# KiCad board jamboard.kicad_pcb (continued)
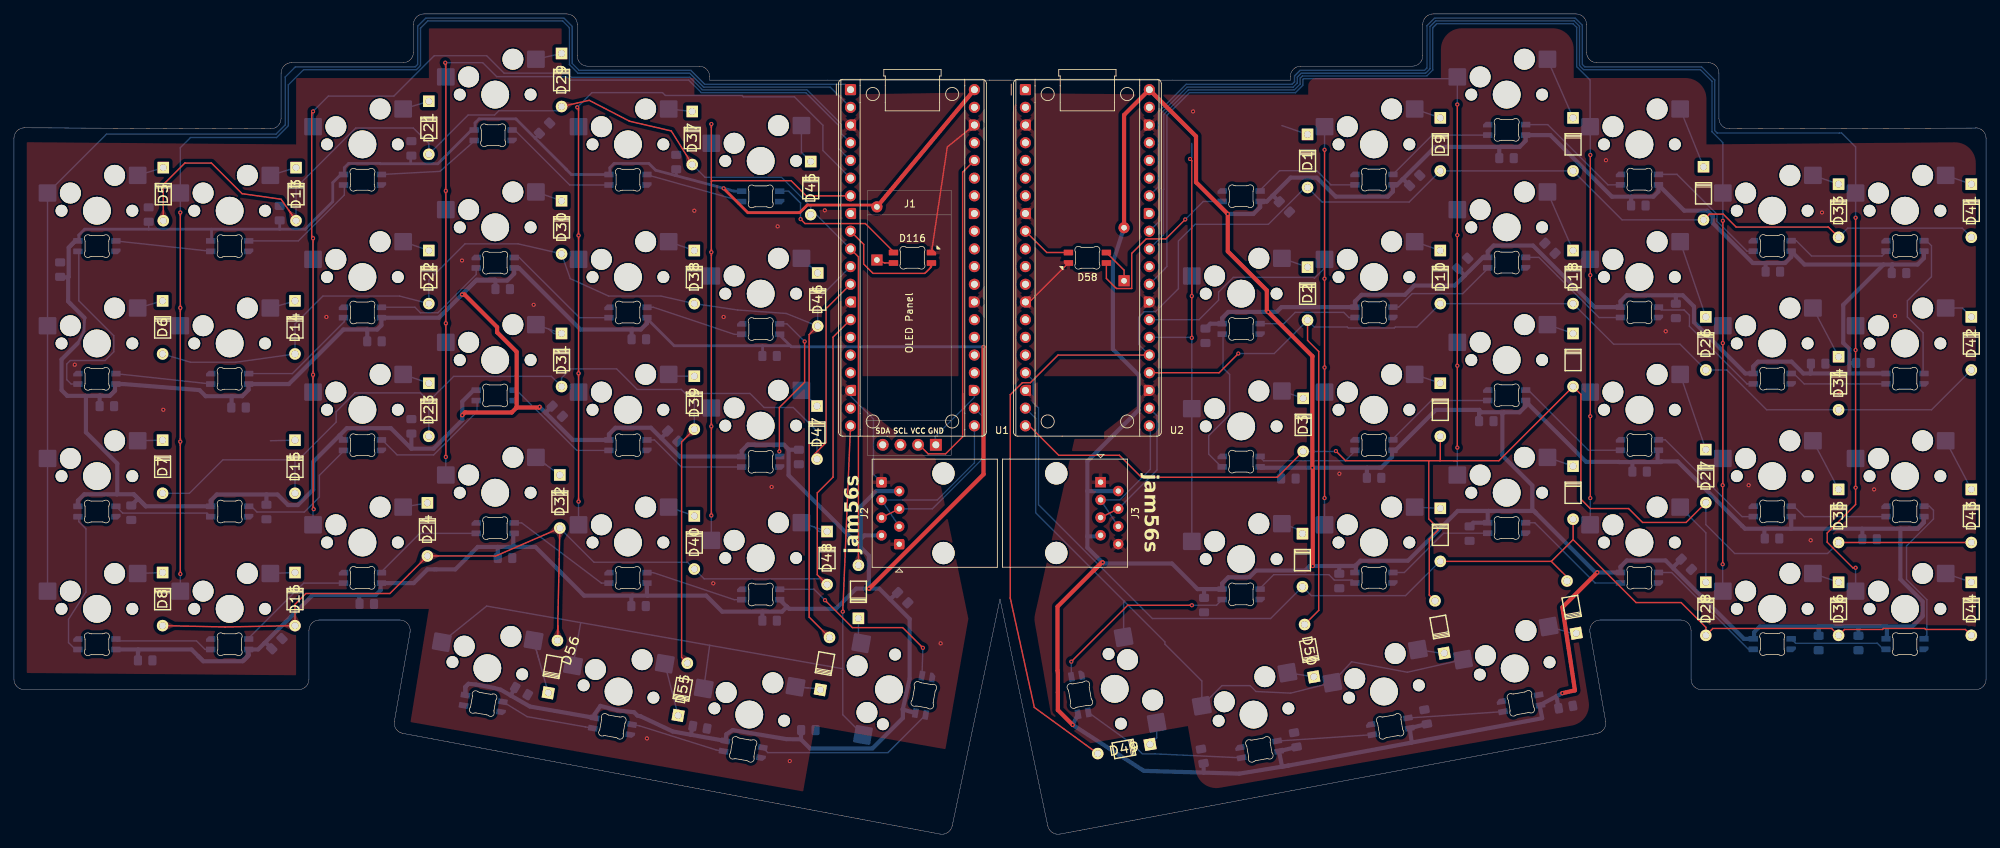
[diagram p0: board, top side]
## Routing (per net, layer and track width the routed paths; a pad name or vN(x,y) marks a point on that pad's centre or on a via; arc(x,y) is an arc through that point) (continued)
Net-(D84-DOUT): length 17.4
  Bottom w0.2: 230.65,55.09 225.93,55.09 217.29,63.74 216.8,63.74
Net-(D85-DIN): length 17.4
  Bottom w0.2: 216.8,44.69 218.23,44.69 226.88,36.04 230.65,36.04
Net-(D87-DIN): length 17.4
  Bottom w0.2: 85.51,93.17 79.75,93.17 71.85,101.07 71.36,101.07
Net-(D88-DOUT): length 17.4
  Bottom w0.2: 85.51,74.12 81.15,74.12 72.5,82.77 71.66,82.77
Net-(D89-DIN): length 17.3
  Bottom w0.2: 71.78,63.72 72.12,63.72 80.77,55.07 85.51,55.07
Net-(D90-DOUT): length 16.7
  Bottom w0.2: 85.51,36.02 84.3,36.02 72.86,44.67 71.66,44.67
Net-(D100-DIN): length 13.9
  Bottom w0.2: 101.94,11.87 100.76,12.08 89.75,15.54 88.56,15.75
Net-(D100-DOUT): length 13.8
  Bottom w0.2: 83.18,15.18 82,15.38 73.63,16.86 D91.3
Net-(D101-DIN): length 21.5
  Bottom w0.2: 238.64,94.69 D92.2 ; 238.64,94.69 244.37,88.97 244.37,87.98 248.68,83.67 D101.3 ; 238.64,94.69 235.85,94.69
Net-(D101-DOUT): length 15
  Bottom w0.2: 254.9,85.17 255.75,85.17 257.94,82.98 268.06,82.98 268.75,83.67
Net-(D102-DIN): length 14.5
  Bottom w0.2: 254.9,66.12 255.39,66.12 256.89,64.62 268.75,64.62
Net-(D102-DOUT): length 19.1
  Bottom w0.2: D102.2 248.68,64.62 240.42,72.88 240.42,74.48 239.66,75.23 236.38,75.23 D93.3
Net-(D103-DIN): length 18.4
  Bottom w0.2: 249.7,45.57 247.97,45.57 236.95,56.59 235.85,56.59
Net-(D103-DOUT): length 14.5
  Bottom w0.2: 254.9,47.07 255.39,47.07 256.89,45.57 268.75,45.57
Net-(D104-DIN): length 14.3
  Bottom w0.2: D104.3 255.65,27.39 267.39,27.39 268.26,26.52 268.75,26.52
Net-(D104-DOUT): length 18.4
  Bottom w0.2: 249.7,26.52 248.9,26.52 237.87,37.54 235.85,37.54
Net-(D105-DIN): length 21.6
  Top w0.2: v1(112.88,88.28) 113.51,87.64 122.17,87.64 126.33,83.48
  Bottom w0.2: v1(112.88,88.28) 112.88,90.58 111.16,92.29 109.76,92.29
Net-(D105-DOUT): length 14.4
  Bottom w0.2: 104.56,90.79 90.71,94.67
Net-(D106-DIN): length 14.5
  Bottom w0.2: 104.56,71.74 103.35,71.74 91.74,75.62 90.71,75.62
Net-(D106-DOUT): length 22.6
  Top w0.2: v1(113.46,70.71) 113.46,64.85 109.83,61.22 v1(109.83,54.93)
  Bottom w0.2: v1(113.46,70.71) 110.92,73.24 D106.2 ; 109.88,54.19 v1(109.83,54.93)
Net-(D107-DOUT): length 15.5
  Bottom w0.2: 90.71,56.57 91.91,56.57 95.79,52.69 104.56,52.69
Net-(D108-DIN): length 14.5
  Bottom w0.2: 90.71,37.52 91.74,37.52 103.35,33.64 104.56,33.64
Net-(D108-DOUT): length 28.2
  Top w0.2: v1(116.38,33.58) 120.32,29.64 127.53,29.64 v1(130.43,26.73)
  Bottom w0.2: v1(130.43,26.73) D114.3 ; v1(116.38,33.58) 114.81,35.14 109.76,35.14
Net-(D109-DIN): length 25.9
  Bottom w0.2: D114.2 125.4,11.69 108.18,11.69 D109.3
Net-(D110-DOUT): length 22.2
  Bottom w0.2: 273.95,66.12 273.95,71.97 271.69,74.23 271.69,76.55 275.15,80 275.15,84.46 274.44,85.17 273.95,85.17
Net-(D112-DOUT): length 23.2
  Bottom w0.2: 273.95,28.02 274.49,28.56 274.49,33.63 271.57,36.55 271.57,41.36 275.44,45.23 275.44,46.48 274.85,47.07 273.95,47.07
Net-(D115-K): length 2.6
  Top w0.2: 126.33,81.98 124.93,81.98 D115.1

## Copper pours and planes (outline as drawn; the poured copper is in the pictures)
GND on Top, Bottom: 1.84,99.32 40.49,99 40.49,108.52 59.54,108.52 59.54,115.66 78.59,115.66 78.59,108.52 97.64,108.52 97.64,106.14 116.69,106.14 139.33,106.47 139.32,62.22 130.6,61.68 136.96,30.9 133.66,12.19 114.9,15.49 113.25,6.11 56.9,16.08 59.54,32.32 40.49,32.32 40.49,22.8 1.84,23.12
GND on Top, Bottom: 281.51,99.33 242.86,99 242.86,108.53 223.81,108.53 223.81,115.67 204.76,115.67 204.76,108.53 185.71,108.53 185.71,106.15 166.66,106.15 143.3,106.36 143.31,61.48 153.15,61.04 146.38,30.96 149.69,12.2 168.45,15.5 170.1,6.12 226.45,16.09 223.81,32.08 242.11,32.08 242.11,22.8 281.51,23.13

Small or netless copper shapes (teardrops, artwork), in the pictures only: 54 on Top, 85 on Bottom

## Text on the board
B.Silkscreen: D30 | ├split / ├hotswap / ├oled / ├rgb / └rp2350 | jam56s
User.Comments: V-score
F.Silkscreen: jam56s
